# KiCad board GNSS GPS L86-M33 breakout with easyC_panel.kicad_pcb
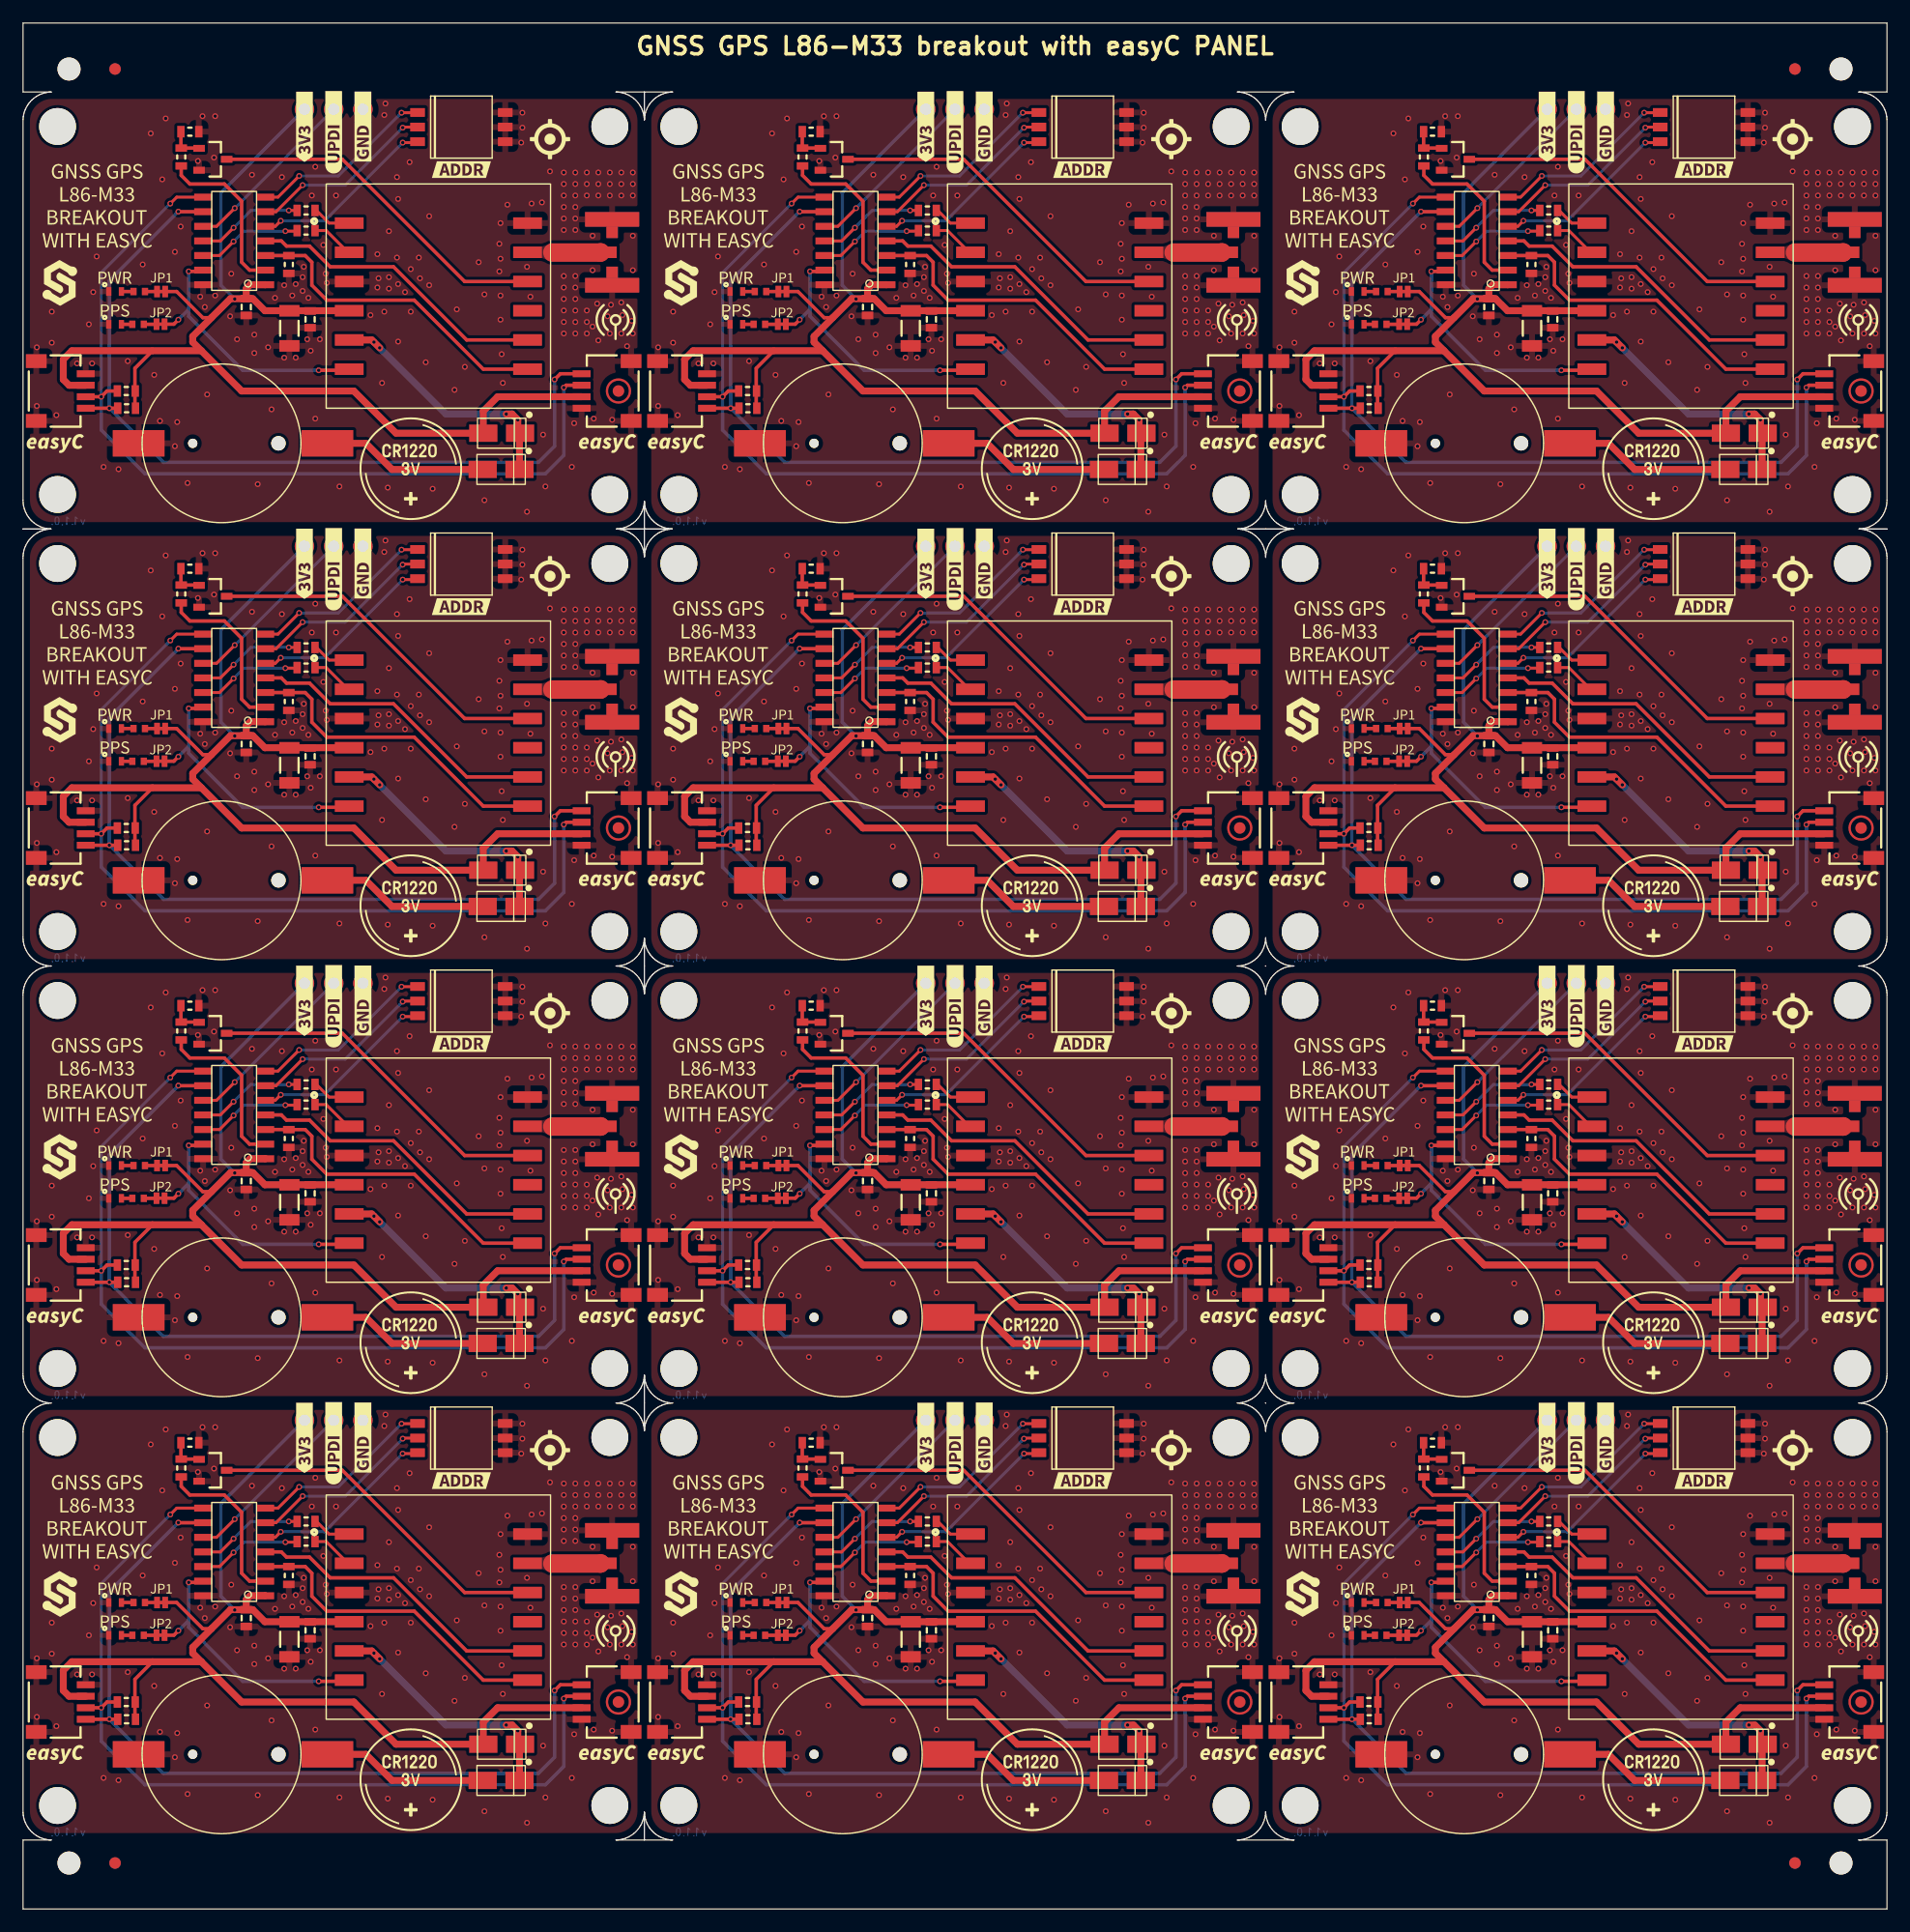
[diagram p0: board, top side]
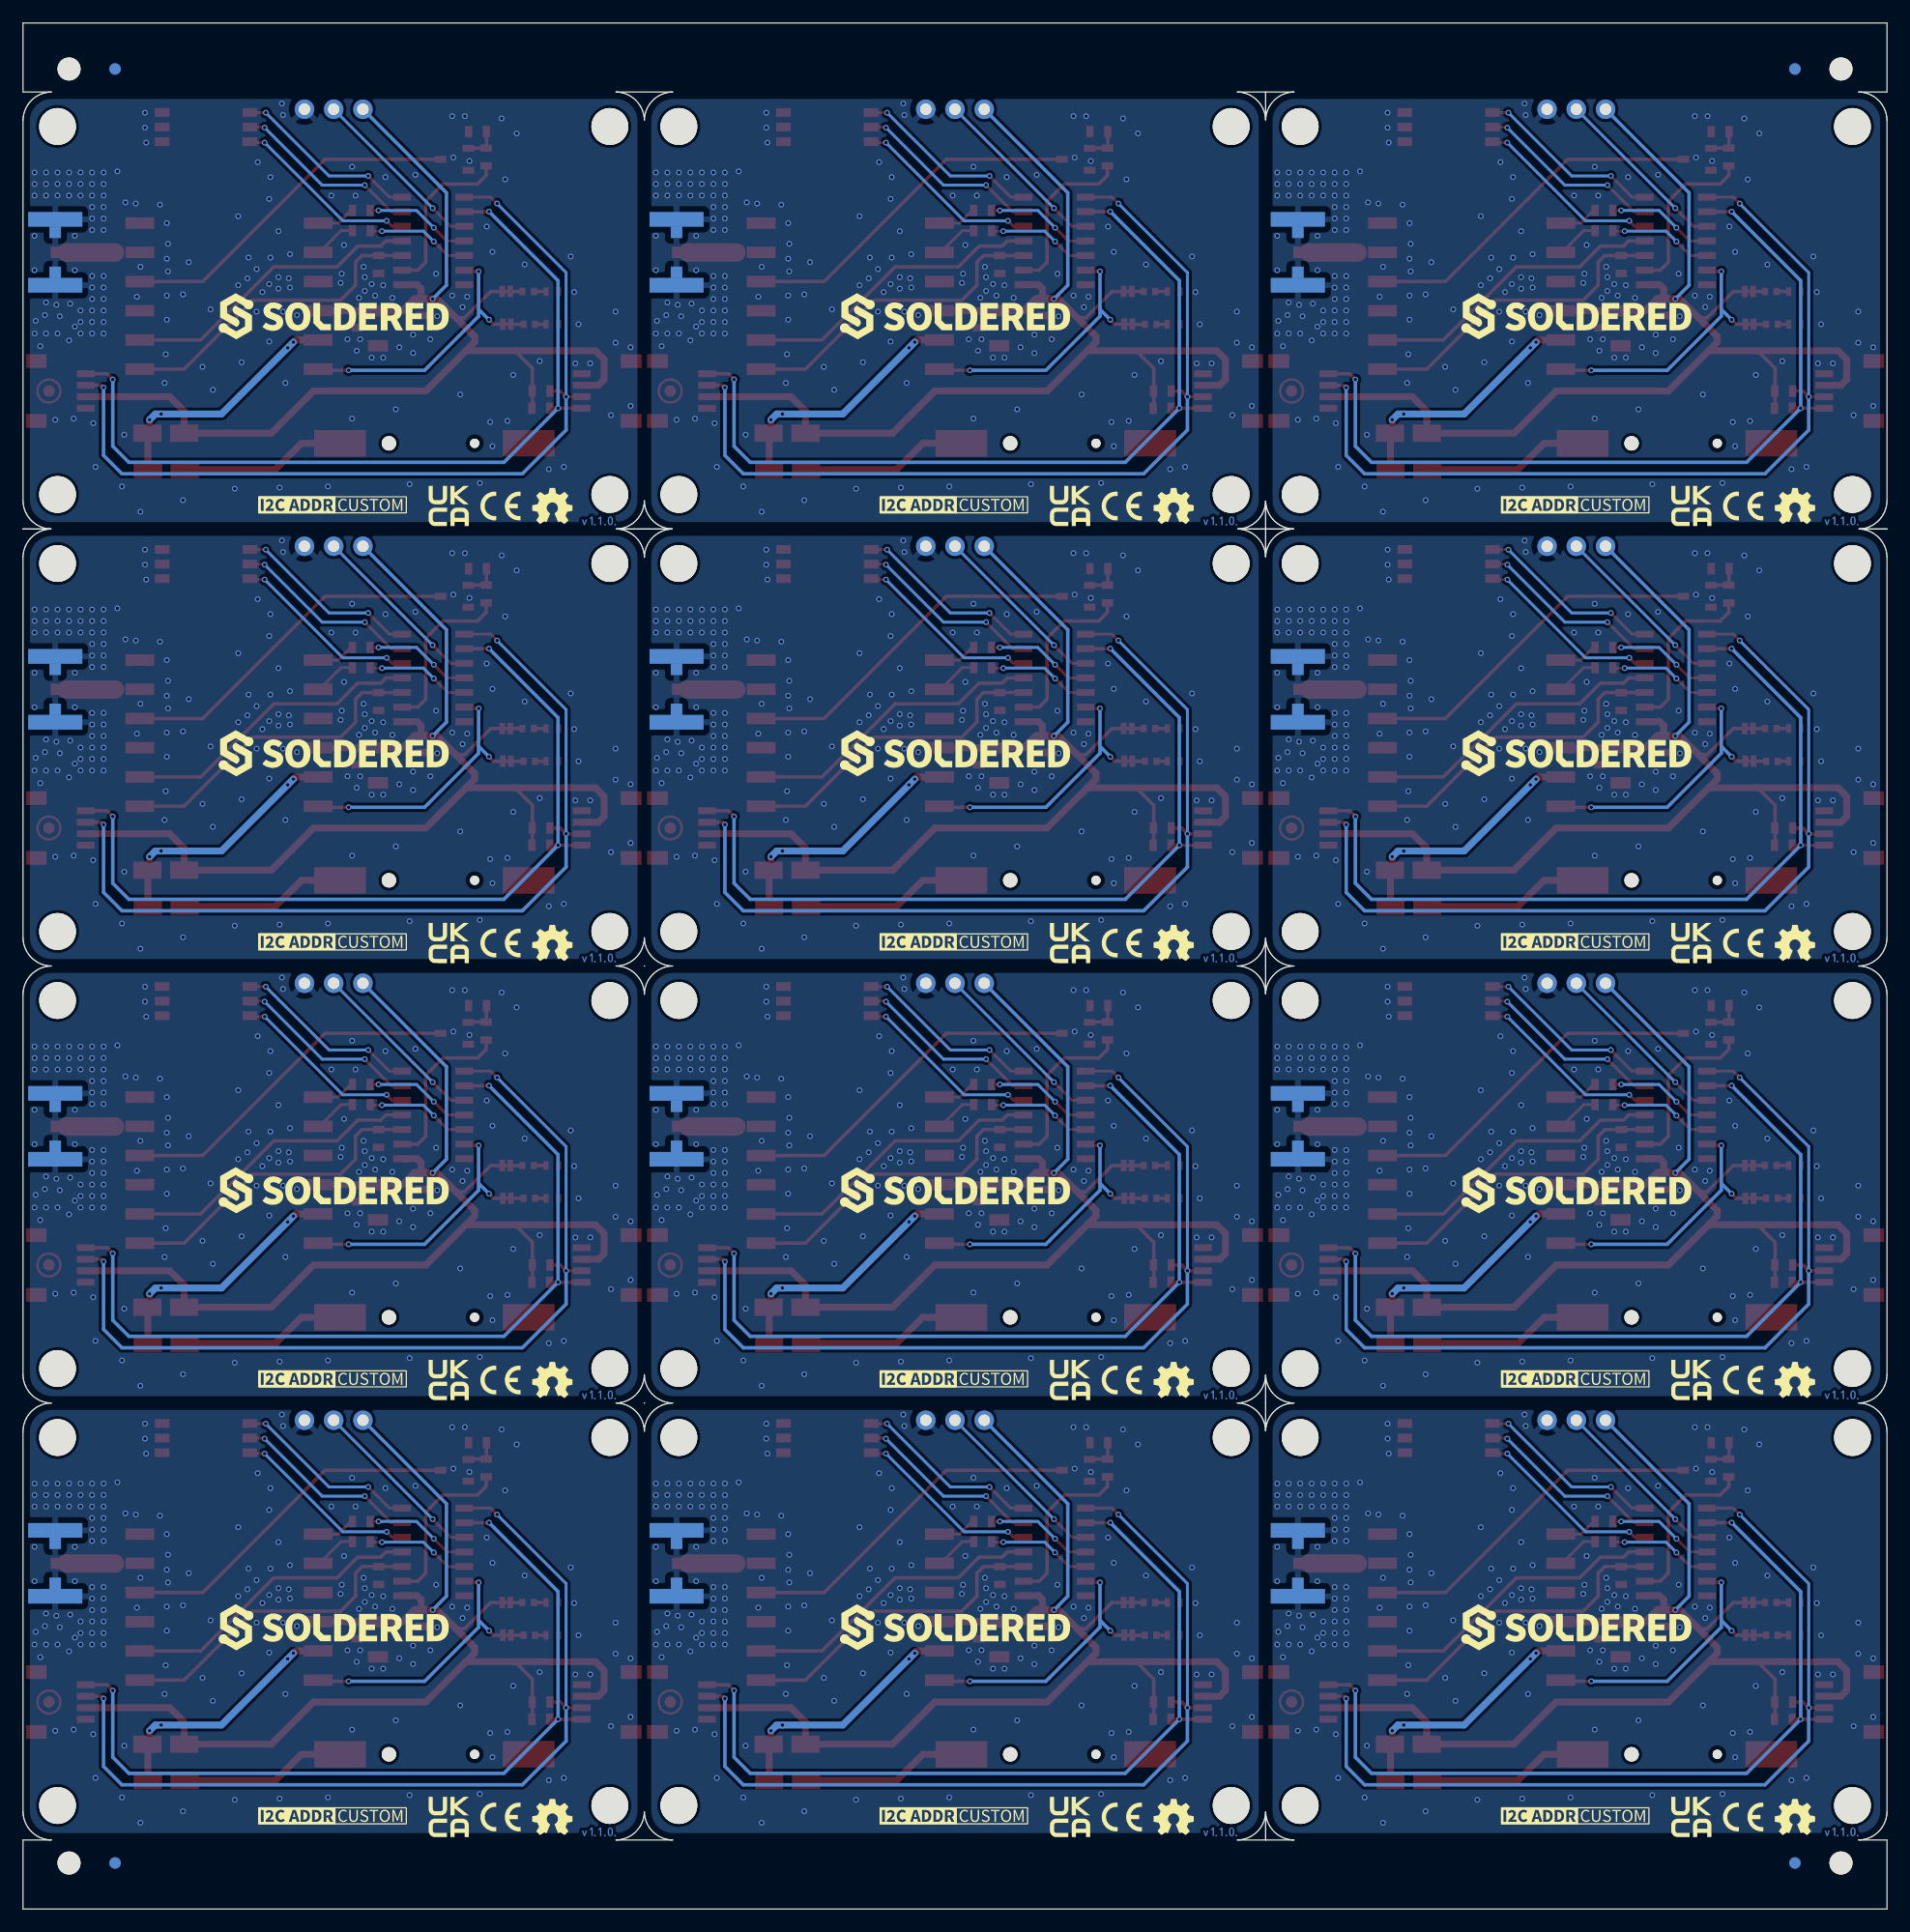
[diagram p1: board, bottom side, seen from below]

Outline 162 x 164 mm; copper layers: Top, Bottom. Coordinates in mm from the lower left corner of the outline.
Stack: Top 0.035mm / dielectric 1.51mm FR4 er 4.5 / Bottom 0.035mm

## Placement (name value [footprint] x y rotation side)
C2  100n  [0603C]  24.95 138.23 90 top
C2#2  100n  [0603C]  24.95 24.23 90 top
C2#3  100n  [0603C]  78.95 62.23 90 top
C2#4  100n  [0603C]  78.95 100.23 90 top
C2#5  100n  [0603C]  78.95 138.23 90 top
C2#6  100n  [0603C]  132.95 62.23 90 top
C2#7  100n  [0603C]  132.95 138.23 90 top
C2#8  100n  [0603C]  24.95 100.23 90 top
C2#9  100n  [0603C]  132.95 24.23 90 top
C2#10  100n  [0603C]  132.95 100.23 90 top
C2#11  100n  [0603C]  24.95 62.23 90 top
C2#12  100n  [0603C]  78.95 24.23 90 top
C3  10u  [1206C]  23.15 23.45 90 top
C3#2  10u  [1206C]  131.15 137.45 90 top
C3#3  10u  [1206C]  77.15 61.45 90 top
C3#4  10u  [1206C]  23.15 137.45 90 top
C3#5  10u  [1206C]  131.15 99.45 90 top
C3#6  10u  [1206C]  23.15 61.45 90 top
C3#7  10u  [1206C]  77.15 99.45 90 top
C3#8  10u  [1206C]  131.15 61.45 90 top
C3#9  10u  [1206C]  77.15 23.45 90 top
C3#10  10u  [1206C]  23.15 99.45 90 top
C3#11  10u  [1206C]  77.15 137.45 90 top
C3#12  10u  [1206C]  131.15 23.45 90 top
C5  100n  [0603C]  73.4 25.3 270 top
C5#2  100n  [0603C]  127.4 63.3 270 top
C5#3  100n  [0603C]  127.4 101.3 270 top
C5#4  100n  [0603C]  127.4 139.3 270 top
C5#5  100n  [0603C]  73.4 101.3 270 top
C5#6  100n  [0603C]  73.4 63.3 270 top
C5#7  100n  [0603C]  73.4 139.3 270 top
C5#8  100n  [0603C]  127.4 25.3 270 top
C5#9  100n  [0603C]  19.4 25.3 270 top
C5#10  100n  [0603C]  19.4 101.3 270 top
C5#11  100n  [0603C]  19.4 63.3 270 top
C5#12  100n  [0603C]  19.4 139.3 270 top
D1  -  [M4_DIODA]  149.6 128.33 0 top
D1#2  -  [M4_DIODA]  149.6 90.33 0 top
D1#3  -  [M4_DIODA]  41.6 52.33 0 top
D1#4  -  [M4_DIODA]  41.6 90.33 0 top
D1#5  -  [M4_DIODA]  149.6 14.33 0 top
D1#6  -  [M4_DIODA]  41.6 128.33 0 top
D1#7  -  [M4_DIODA]  149.6 52.33 0 top
D1#8  -  [M4_DIODA]  41.6 14.33 0 top
D1#9  -  [M4_DIODA]  95.6 90.33 0 top
D1#10  -  [M4_DIODA]  95.6 128.33 0 top
D1#11  -  [M4_DIODA]  95.6 52.33 0 top
D1#12  -  [M4_DIODA]  95.6 14.33 0 top
D2  -  [M4_DIODA]  41.55 87.18 0 top
D2#2  -  [M4_DIODA]  95.55 49.18 0 top
D2#3  -  [M4_DIODA]  41.55 49.18 0 top
D2#4  -  [M4_DIODA]  41.55 125.18 0 top
D2#5  -  [M4_DIODA]  95.55 11.18 0 top
D2#6  -  [M4_DIODA]  149.55 49.18 0 top
D2#7  -  [M4_DIODA]  149.55 11.18 0 top
D2#8  -  [M4_DIODA]  149.55 87.18 0 top
D2#9  -  [M4_DIODA]  149.55 125.18 0 top
D2#10  -  [M4_DIODA]  95.55 125.18 0 top
D2#11  -  [M4_DIODA]  95.55 87.18 0 top
D2#12  -  [M4_DIODA]  41.55 11.18 0 top
D3  purple  [0402LED]  62 64.65 180 top
D3#2  purple  [0402LED]  116 64.65 180 top
D3#3  purple  [0402LED]  8 64.65 180 top
D3#4  purple  [0402LED]  8 140.65 180 top
D3#5  purple  [0402LED]  116 26.65 180 top
D3#6  purple  [0402LED]  116 102.65 180 top
D3#7  purple  [0402LED]  62 102.65 180 top
D3#8  purple  [0402LED]  62 140.65 180 top
D3#9  purple  [0402LED]  8 26.65 180 top
D3#10  purple  [0402LED]  62 26.65 180 top
D3#11  purple  [0402LED]  8 102.65 180 top
D3#12  purple  [0402LED]  116 140.65 180 top
D4  blue  [0402LED]  8 137.8 180 top
D4#2  blue  [0402LED]  116 61.8 180 top
D4#3  blue  [0402LED]  62 99.8 180 top
D4#4  blue  [0402LED]  62 137.8 180 top
D4#5  blue  [0402LED]  8 23.8 180 top
D4#6  blue  [0402LED]  116 23.8 180 top
D4#7  blue  [0402LED]  8 61.8 180 top
D4#8  blue  [0402LED]  116 99.8 180 top
D4#9  blue  [0402LED]  62 61.8 180 top
D4#10  blue  [0402LED]  62 23.8 180 top
D4#11  blue  [0402LED]  8 99.8 180 top
D4#12  blue  [0402LED]  116 137.8 180 top
FD1  FIDUCIAL  [FIDUCIAL_23]  105.75 132 0 top
FD1#2  FIDUCIAL  [FIDUCIAL_23]  51.75 132 0 top
FD1#3  FIDUCIAL  [FIDUCIAL_23]  51.75 56 0 top
FD1#4  FIDUCIAL  [FIDUCIAL_23]  51.75 18 0 top
FD1#5  FIDUCIAL  [FIDUCIAL_23]  159.75 56 0 top
FD1#6  FIDUCIAL  [FIDUCIAL_23]  105.75 56 0 top
FD1#7  FIDUCIAL  [FIDUCIAL_23]  159.75 132 0 top
FD1#8  FIDUCIAL  [FIDUCIAL_23]  159.75 18 0 top
FD1#9  FIDUCIAL  [FIDUCIAL_23]  51.75 94 0 top
FD1#10  FIDUCIAL  [FIDUCIAL_23]  105.75 18 0 top
FD1#11  FIDUCIAL  [FIDUCIAL_23]  105.75 94 0 top
FD1#12  FIDUCIAL  [FIDUCIAL_23]  159.75 94 0 top
G***  LOGO  [Logo-Back-OSH-3.5mm]  8 84 0 top
G***#2  LOGO  [Symbol-Front-Antenna]  105.5 24 0 top
G***#3  LOGO  [Symbol-front-GNSS]  99.8 153.9 0 top
G***#4  LOGO  [Logo-Front-easyC-5mm]  2.8 13.5 0 top
G***#5  LOGO  [Logo-Back-OSH-3.5mm]  62 122 0 top
G***#6  LOGO  [Logo-Front-easyC-5mm]  158.8 13.5 0 top
G***#7  LOGO  [Logo-Front-easyC-5mm]  110.8 51.5 0 top
G***#8  LOGO  [Logo-Back-OSH-3.5mm]  8 46 0 top
G***#9  LOGO  [Logo-Back-OSH-3.5mm]  8 8 0 top
G***#10  LOGO  [Symbol-Front-Antenna]  159.5 24 0 top
G***#11  LOGO  [Logo-Front-Soldered-4mm]  57.2 65.4 0 top
G***#12  LOGO  [Logo-Front-easyC-5mm]  104.8 89.5 0 top
G***#13  LOGO  [Logo-Front-easyC-5mm]  50.8 13.5 0 top
G***#14  LOGO  [Logo-Front-Soldered-4mm]  111.2 65.4 0 top
G***#15  LOGO  [Logo-Front-Soldered-4mm]  3.2 103.4 0 top
G***#16  LOGO  [Logo-Front-easyC-5mm]  56.8 127.5 0 top
G***#17  LOGO  [Symbol-Front-Antenna]  105.5 100 0 top
G***#18  LOGO  [Logo-Back-OSH-3.5mm]  116 46 0 top
G***#19  LOGO  [Symbol-front-GNSS]  153.8 153.9 0 top
G***#20  LOGO  [Logo-Front-easyC-5mm]  56.8 13.5 0 top
G***#21  LOGO  [Logo-Front-Soldered-4mm]  57.2 103.4 0 top
G***#22  LOGO  [Symbol-Front-Antenna]  51.5 24 0 top
G***#23  LOGO  [Logo-Front-easyC-5mm]  104.8 51.5 0 top
G***#24  LOGO  [Logo-Front-Soldered-4mm]  3.2 65.4 0 top
G***#25  LOGO  [Symbol-front-GNSS]  153.8 77.9 0 top
G***#26  LOGO  [Logo-Front-Soldered-4mm]  111.2 103.4 0 top
G***#27  LOGO  [Logo-Front-easyC-5mm]  104.8 127.5 0 top
G***#28  LOGO  [Logo-Front-Soldered-4mm]  3.2 141.4 0 top
G***#29  LOGO  [Symbol-front-GNSS]  45.8 39.9 0 top
G***#30  LOGO  [Symbol-Front-Antenna]  159.5 138 0 top
G***#31  LOGO  [Logo-Front-easyC-5mm]  110.8 127.5 0 top
G***#32  LOGO  [Logo-Front-easyC-5mm]  2.8 51.5 0 top
G***#33  LOGO  [Symbol-Front-Antenna]  51.5 62 0 top
G***#34  LOGO  [Logo-Front-Soldered-4mm]  111.2 141.4 0 top
G***#35  LOGO  [Symbol-front-GNSS]  153.8 115.9 0 top
G***#36  LOGO  [Logo-Back-OSH-3.5mm]  8 122 0 top
G***#37  LOGO  [Logo-Back-OSH-3.5mm]  62 84 0 top
G***#38  LOGO  [Logo-Front-easyC-5mm]  56.8 51.5 0 top
G***#39  LOGO  [Symbol-Front-Antenna]  159.5 100 0 top
G***#40  LOGO  [Logo-Front-easyC-5mm]  158.8 127.5 0 top
G***#41  LOGO  [Logo-Front-Soldered-4mm]  57.2 27.4 0 top
G***#42  LOGO  [Symbol-Front-Antenna]  159.5 62 0 top
G***#43  LOGO  [Logo-Front-easyC-5mm]  110.8 89.5 0 top
G***#44  LOGO  [Logo-Back-OSH-3.5mm]  116 8 0 top
G***#45  LOGO  [Logo-Front-easyC-5mm]  50.8 127.5 0 top
G***#46  LOGO  [Symbol-Front-Antenna]  105.5 138 0 top
G***#47  LOGO  [Logo-Front-easyC-5mm]  2.8 127.5 0 top
G***#48  LOGO  [Logo-Back-OSH-3.5mm]  62 8 0 top
G***#49  LOGO  [Logo-Back-OSH-3.5mm]  116 84 0 top
G***#50  LOGO  [Symbol-front-GNSS]  153.8 39.9 0 top
G***#51  LOGO  [Logo-Front-easyC-5mm]  56.8 89.5 0 top
G***#52  LOGO  [Logo-Front-Soldered-4mm]  57.2 141.4 0 top
G***#53  LOGO  [Symbol-Front-Antenna]  105.5 62 0 top
G***#54  LOGO  [Symbol-Front-Antenna]  51.5 138 0 top
G***#55  LOGO  [Logo-Front-Soldered-4mm]  3.2 27.4 0 top
G***#56  LOGO  [Logo-Front-easyC-5mm]  50.8 51.5 0 top
G***#57  LOGO  [Logo-Front-easyC-5mm]  104.8 13.5 0 top
G***#58  LOGO  [Symbol-front-GNSS]  99.8 39.9 0 top
G***#59  LOGO  [Symbol-front-GNSS]  99.8 115.9 0 top
G***#60  LOGO  [Logo-Front-easyC-5mm]  2.8 89.5 0 top
G***#61  LOGO  [Symbol-front-GNSS]  45.8 153.9 0 top
G***#62  LOGO  [Logo-Back-OSH-3.5mm]  62 46 0 top
G***#63  LOGO  [Symbol-Front-Antenna]  51.5 100 0 top
G***#64  LOGO  [Logo-Front-Soldered-4mm]  111.2 27.4 0 top
G***#65  LOGO  [Logo-Front-easyC-5mm]  110.8 13.5 0 top
G***#66  LOGO  [Logo-Front-easyC-5mm]  158.8 89.5 0 top
G***#67  LOGO  [Logo-Front-easyC-5mm]  50.8 89.5 0 top
G***#68  LOGO  [Symbol-front-GNSS]  45.8 115.9 0 top
G***#69  LOGO  [Logo-Front-easyC-5mm]  158.8 51.5 0 top
G***#70  LOGO  [Symbol-front-GNSS]  99.8 77.9 0 top
G***#71  LOGO  [Symbol-front-GNSS]  45.8 77.9 0 top
G***#72  LOGO  [Logo-Back-OSH-3.5mm]  116 122 0 top
H1  -  [HOLE_3.2mm]  3 155 0 top
H1#2  -  [HOLE_3.2mm]  3 41 0 top
H1#3  -  [HOLE_3.2mm]  57 117 0 top
H1#4  -  [HOLE_3.2mm]  111 155 0 top
H1#5  -  [HOLE_3.2mm]  3 79 0 top
H1#6  -  [HOLE_3.2mm]  3 117 0 top
H1#7  -  [HOLE_3.2mm]  57 79 0 top
H1#8  -  [HOLE_3.2mm]  111 117 0 top
H1#9  -  [HOLE_3.2mm]  111 79 0 top
H1#10  -  [HOLE_3.2mm]  57 41 0 top
H1#11  -  [HOLE_3.2mm]  111 41 0 top
H1#12  -  [HOLE_3.2mm]  57 155 0 top
H2  -  [HOLE_3.2mm]  159 79 0 top
H2#2  -  [HOLE_3.2mm]  51 155 0 top
H2#3  -  [HOLE_3.2mm]  51 117 0 top
H2#4  -  [HOLE_3.2mm]  51 41 0 top
H2#5  -  [HOLE_3.2mm]  105 155 0 top
H2#6  -  [HOLE_3.2mm]  159 41 0 top
H2#7  -  [HOLE_3.2mm]  159 155 0 top
H2#8  -  [HOLE_3.2mm]  105 41 0 top
H2#9  -  [HOLE_3.2mm]  51 79 0 top
H2#10  -  [HOLE_3.2mm]  105 79 0 top
H2#11  -  [HOLE_3.2mm]  105 117 0 top
H2#12  -  [HOLE_3.2mm]  159 117 0 top
H3  -  [HOLE_3.2mm]  105 47 0 top
H3#2  -  [HOLE_3.2mm]  51 123 0 top
H3#3  -  [HOLE_3.2mm]  105 9 0 top
H3#4  -  [HOLE_3.2mm]  159 9 0 top
H3#5  -  [HOLE_3.2mm]  105 123 0 top
H3#6  -  [HOLE_3.2mm]  51 47 0 top
H3#7  -  [HOLE_3.2mm]  51 9 0 top
H3#8  -  [HOLE_3.2mm]  51 85 0 top
H3#9  -  [HOLE_3.2mm]  159 123 0 top
H3#10  -  [HOLE_3.2mm]  159 47 0 top
H3#11  -  [HOLE_3.2mm]  105 85 0 top
H3#12  -  [HOLE_3.2mm]  159 85 0 top
H4  -  [HOLE_3.2mm]  57 123 0 top
H4#2  -  [HOLE_3.2mm]  111 47 0 top
H4#3  -  [HOLE_3.2mm]  3 123 0 top
H4#4  -  [HOLE_3.2mm]  3 85 0 top
H4#5  -  [HOLE_3.2mm]  57 47 0 top
H4#6  -  [HOLE_3.2mm]  111 123 0 top
H4#7  -  [HOLE_3.2mm]  3 47 0 top
H4#8  -  [HOLE_3.2mm]  57 85 0 top
H4#9  -  [HOLE_3.2mm]  3 9 0 top
H4#10  -  [HOLE_3.2mm]  57 9 0 top
H4#11  -  [HOLE_3.2mm]  111 9 0 top
H4#12  -  [HOLE_3.2mm]  111 85 0 top
JP2  -  [SMD-JUMPER-CONNECTED_TRACE_SOLDERMASK]  120 26.65 180 top
JP2#2  -  [SMD-JUMPER-CONNECTED_TRACE_SOLDERMASK]  12 26.65 180 top
JP2#3  -  [SMD-JUMPER-CONNECTED_TRACE_SOLDERMASK]  120 64.65 180 top
JP2#4  -  [SMD-JUMPER-CONNECTED_TRACE_SOLDERMASK]  66 64.65 180 top
JP2#5  -  [SMD-JUMPER-CONNECTED_TRACE_SOLDERMASK]  120 102.65 180 top
JP2#6  -  [SMD-JUMPER-CONNECTED_TRACE_SOLDERMASK]  12 64.65 180 top
JP2#7  -  [SMD-JUMPER-CONNECTED_TRACE_SOLDERMASK]  66 140.65 180 top
JP2#8  -  [SMD-JUMPER-CONNECTED_TRACE_SOLDERMASK]  120 140.65 180 top
JP2#9  -  [SMD-JUMPER-CONNECTED_TRACE_SOLDERMASK]  12 140.65 180 top
JP2#10  -  [SMD-JUMPER-CONNECTED_TRACE_SOLDERMASK]  66 102.65 180 top
JP2#11  -  [SMD-JUMPER-CONNECTED_TRACE_SOLDERMASK]  12 102.65 180 top
JP2#12  -  [SMD-JUMPER-CONNECTED_TRACE_SOLDERMASK]  66 26.65 180 top
JP4  -  [SMD-JUMPER-CONNECTED_TRACE_SOLDERMASK]  119.95 137.81 180 top
JP4#2  -  [SMD-JUMPER-CONNECTED_TRACE_SOLDERMASK]  65.95 99.81 180 top
JP4#3  -  [SMD-JUMPER-CONNECTED_TRACE_SOLDERMASK]  11.95 137.81 180 top
JP4#4  -  [SMD-JUMPER-CONNECTED_TRACE_SOLDERMASK]  65.95 23.81 180 top
JP4#5  -  [SMD-JUMPER-CONNECTED_TRACE_SOLDERMASK]  119.95 61.81 180 top
JP4#6  -  [SMD-JUMPER-CONNECTED_TRACE_SOLDERMASK]  119.95 99.81 180 top
JP4#7  -  [SMD-JUMPER-CONNECTED_TRACE_SOLDERMASK]  65.95 61.81 180 top
JP4#8  -  [SMD-JUMPER-CONNECTED_TRACE_SOLDERMASK]  119.95 23.81 180 top
JP4#9  -  [SMD-JUMPER-CONNECTED_TRACE_SOLDERMASK]  11.95 99.81 180 top
JP4#10  -  [SMD-JUMPER-CONNECTED_TRACE_SOLDERMASK]  11.95 61.81 180 top
JP4#11  -  [SMD-JUMPER-CONNECTED_TRACE_SOLDERMASK]  65.95 137.81 180 top
JP4#12  -  [SMD-JUMPER-CONNECTED_TRACE_SOLDERMASK]  11.95 23.81 180 top
K1  -  [IPX connector with SMA]  104.2 68.06 270 top
K1#2  -  [IPX connector with SMA]  158.2 30.06 270 top
K1#3  -  [IPX connector with SMA]  104.2 106.06 270 top
K1#4  -  [IPX connector with SMA]  158.2 68.06 270 top
K1#5  -  [IPX connector with SMA]  50.2 106.06 270 top
K1#6  -  [IPX connector with SMA]  50.2 68.06 270 top
K1#7  -  [IPX connector with SMA]  104.2 30.06 270 top
K1#8  -  [IPX connector with SMA]  104.2 144.06 270 top
K1#9  -  [IPX connector with SMA]  50.2 30.06 270 top
K1#10  -  [IPX connector with SMA]  158.2 106.06 270 top
K1#11  -  [IPX connector with SMA]  50.2 144.06 270 top
K1#12  -  [IPX connector with SMA]  158.2 144.06 270 top
K3  -  [CR1220_HOLDER]  72.25 51.45 90 top
K3#2  -  [CR1220_HOLDER]  126.25 89.45 90 top
K3#3  -  [CR1220_HOLDER]  18.25 51.45 90 top
K3#4  -  [CR1220_HOLDER]  126.25 127.45 90 top
K3#5  -  [CR1220_HOLDER]  72.25 13.45 90 top
K3#6  -  [CR1220_HOLDER]  18.25 127.45 90 top
K3#7  -  [CR1220_HOLDER]  72.25 89.45 90 top
K3#8  -  [CR1220_HOLDER]  18.25 13.45 90 top
K3#9  -  [CR1220_HOLDER]  126.25 51.45 90 top
K3#10  -  [CR1220_HOLDER]  126.25 13.45 90 top
K3#11  -  [CR1220_HOLDER]  18.25 89.45 90 top
K3#12  -  [CR1220_HOLDER]  72.25 127.45 90 top
K5  easyC-SMD  [easyC-connector]  158.7 132 270 top
K5#2  easyC-SMD  [easyC-connector]  50.7 94 270 top
K5#3  easyC-SMD  [easyC-connector]  158.7 18 270 top
K5#4  easyC-SMD  [easyC-connector]  104.7 18 270 top
K5#5  easyC-SMD  [easyC-connector]  158.7 94 270 top
K5#6  easyC-SMD  [easyC-connector]  50.7 18 270 top
K5#7  easyC-SMD  [easyC-connector]  50.7 56 270 top
K5#8  easyC-SMD  [easyC-connector]  104.7 56 270 top
K5#9  easyC-SMD  [easyC-connector]  50.7 132 270 top
K5#10  easyC-SMD  [easyC-connector]  158.7 56 270 top
K5#11  easyC-SMD  [easyC-connector]  104.7 94 270 top
K5#12  easyC-SMD  [easyC-connector]  104.7 132 270 top
K6  -  [HEADER-UPDI]  27 80.5 0 top
K6#2  -  [HEADER-UPDI]  27 156.5 0 top
K6#3  -  [HEADER-UPDI]  27 118.5 0 top
K6#4  -  [HEADER-UPDI]  135 156.5 0 top
K6#5  -  [HEADER-UPDI]  135 118.5 0 top
K6#6  -  [HEADER-UPDI]  135 80.5 0 top
K6#7  -  [HEADER-UPDI]  81 80.5 0 top
K6#8  -  [HEADER-UPDI]  135 42.5 0 top
K6#9  -  [HEADER-UPDI]  81 156.5 0 top
K6#10  -  [HEADER-UPDI]  81 118.5 0 top
K6#11  -  [HEADER-UPDI]  27 42.5 0 top
K6#12  -  [HEADER-UPDI]  81 42.5 0 top
K7  easyC-SMD  [easyC-connector]  111.3 132 90 top
K7#2  easyC-SMD  [easyC-connector]  111.3 56 90 top
K7#3  easyC-SMD  [easyC-connector]  3.3 132 90 top
K7#4  easyC-SMD  [easyC-connector]  111.3 94 90 top
K7#5  easyC-SMD  [easyC-connector]  3.3 56 90 top
K7#6  easyC-SMD  [easyC-connector]  57.3 94 90 top
K7#7  easyC-SMD  [easyC-connector]  111.3 18 90 top
K7#8  easyC-SMD  [easyC-connector]  57.3 132 90 top
K7#9  easyC-SMD  [easyC-connector]  3.3 94 90 top
K7#10  easyC-SMD  [easyC-connector]  57.3 18 90 top
K7#11  easyC-SMD  [easyC-connector]  57.3 56 90 top
K7#12  easyC-SMD  [easyC-connector]  3.3 18 90 top
K8  -  [DSHP03TS-S]  146.1 78.95 0 top
K8#2  -  [DSHP03TS-S]  92.1 116.95 0 top
K8#3  -  [DSHP03TS-S]  146.1 154.95 0 top
K8#4  -  [DSHP03TS-S]  92.1 154.95 0 top
K8#5  -  [DSHP03TS-S]  146.1 40.95 0 top
K8#6  -  [DSHP03TS-S]  38.1 40.95 0 top
K8#7  -  [DSHP03TS-S]  38.1 116.95 0 top
K8#8  -  [DSHP03TS-S]  92.1 78.95 0 top
K8#9  -  [DSHP03TS-S]  38.1 78.95 0 top
K8#10  -  [DSHP03TS-S]  146.1 116.95 0 top
K8#11  -  [DSHP03TS-S]  38.1 154.95 0 top
K8#12  -  [DSHP03TS-S]  92.1 40.95 0 top
kibuzzard-646B10BE  G***  [kibuzzard-646B10BE]  114.45 113.1 0 top
kibuzzard-646B10BE#2  G***  [kibuzzard-646B10BE]  114.45 151.1 0 top
kibuzzard-646B10BE#3  G***  [kibuzzard-646B10BE]  60.45 113.1 0 top
kibuzzard-646B10BE#4  G***  [kibuzzard-646B10BE]  6.45 151.1 0 top
kibuzzard-646B10BE#5  G***  [kibuzzard-646B10BE]  114.45 37.1 0 top
kibuzzard-646B10BE#6  G***  [kibuzzard-646B10BE]  60.45 151.1 0 top
kibuzzard-646B10BE#7  G***  [kibuzzard-646B10BE]  6.45 113.1 0 top
kibuzzard-646B10BE#8  G***  [kibuzzard-646B10BE]  60.45 75.1 0 top
kibuzzard-646B10BE#9  G***  [kibuzzard-646B10BE]  6.45 37.1 0 top
kibuzzard-646B10BE#10  G***  [kibuzzard-646B10BE]  6.45 75.1 0 top
kibuzzard-646B10BE#11  G***  [kibuzzard-646B10BE]  60.45 37.1 0 top
kibuzzard-646B10BE#12  G***  [kibuzzard-646B10BE]  114.45 75.1 0 top
kibuzzard-646B10CD  G***  [kibuzzard-646B10CD]  114.45 111.1 0 top
kibuzzard-646B10CD#2  G***  [kibuzzard-646B10CD]  6.45 35.1 0 top
kibuzzard-646B10CD#3  G***  [kibuzzard-646B10CD]  60.45 35.1 0 top
kibuzzard-646B10CD#4  G***  [kibuzzard-646B10CD]  60.45 111.1 0 top
kibuzzard-646B10CD#5  G***  [kibuzzard-646B10CD]  114.45 73.1 0 top
kibuzzard-646B10CD#6  G***  [kibuzzard-646B10CD]  6.45 111.1 0 top
kibuzzard-646B10CD#7  G***  [kibuzzard-646B10CD]  6.45 73.1 0 top
kibuzzard-646B10CD#8  G***  [kibuzzard-646B10CD]  114.45 35.1 0 top
kibuzzard-646B10CD#9  G***  [kibuzzard-646B10CD]  60.45 73.1 0 top
kibuzzard-646B10CD#10  G***  [kibuzzard-646B10CD]  114.45 149.1 0 top
kibuzzard-646B10CD#11  G***  [kibuzzard-646B10CD]  60.45 149.1 0 top
kibuzzard-646B10CD#12  G***  [kibuzzard-646B10CD]  6.45 149.1 0 top
kibuzzard-646B10D8  G***  [kibuzzard-646B10D8]  60.45 33.1 0 top
kibuzzard-646B10D8#2  G***  [kibuzzard-646B10D8]  60.45 147.1 0 top
kibuzzard-646B10D8#3  G***  [kibuzzard-646B10D8]  114.45 109.1 0 top
kibuzzard-646B10D8#4  G***  [kibuzzard-646B10D8]  6.45 109.1 0 top
kibuzzard-646B10D8#5  G***  [kibuzzard-646B10D8]  6.45 33.1 0 top
kibuzzard-646B10D8#6  G***  [kibuzzard-646B10D8]  114.45 147.1 0 top
kibuzzard-646B10D8#7  G***  [kibuzzard-646B10D8]  114.45 33.1 0 top
kibuzzard-646B10D8#8  G***  [kibuzzard-646B10D8]  60.45 109.1 0 top
kibuzzard-646B10D8#9  G***  [kibuzzard-646B10D8]  6.45 147.1 0 top
kibuzzard-646B10D8#10  G***  [kibuzzard-646B10D8]  6.45 71.1 0 top
kibuzzard-646B10D8#11  G***  [kibuzzard-646B10D8]  114.45 71.1 0 top
kibuzzard-646B10D8#12  G***  [kibuzzard-646B10D8]  60.45 71.1 0 top
kibuzzard-646B10E4  G***  [kibuzzard-646B10E4]  6.45 145.1 0 top
kibuzzard-646B10E4#2  G***  [kibuzzard-646B10E4]  60.45 31.1 0 top
kibuzzard-646B10E4#3  G***  [kibuzzard-646B10E4]  60.45 69.1 0 top
kibuzzard-646B10E4#4  G***  [kibuzzard-646B10E4]  6.45 107.1 0 top
kibuzzard-646B10E4#5  G***  [kibuzzard-646B10E4]  114.45 31.1 0 top
kibuzzard-646B10E4#6  G***  [kibuzzard-646B10E4]  6.45 69.1 0 top
kibuzzard-646B10E4#7  G***  [kibuzzard-646B10E4]  60.45 107.1 0 top
kibuzzard-646B10E4#8  G***  [kibuzzard-646B10E4]  114.45 107.1 0 top
kibuzzard-646B10E4#9  G***  [kibuzzard-646B10E4]  6.45 31.1 0 top
kibuzzard-646B10E4#10  G***  [kibuzzard-646B10E4]  60.45 145.1 0 top
kibuzzard-646B10E4#11  G***  [kibuzzard-646B10E4]  114.45 69.1 0 top
kibuzzard-646B10E4#12  G***  [kibuzzard-646B10E4]  114.45 145.1 0 top
kibuzzard-646B110E  G***  [kibuzzard-646B110E]  62 103.85 0 top
kibuzzard-646B110E#2  G***  [kibuzzard-646B110E]  116 27.85 0 top
kibuzzard-646B110E#3  G***  [kibuzzard-646B110E]  62 141.85 0 top
kibuzzard-646B110E#4  G***  [kibuzzard-646B110E]  116 141.85 0 top